# KiCad board nyx.kicad_pcb (continued)
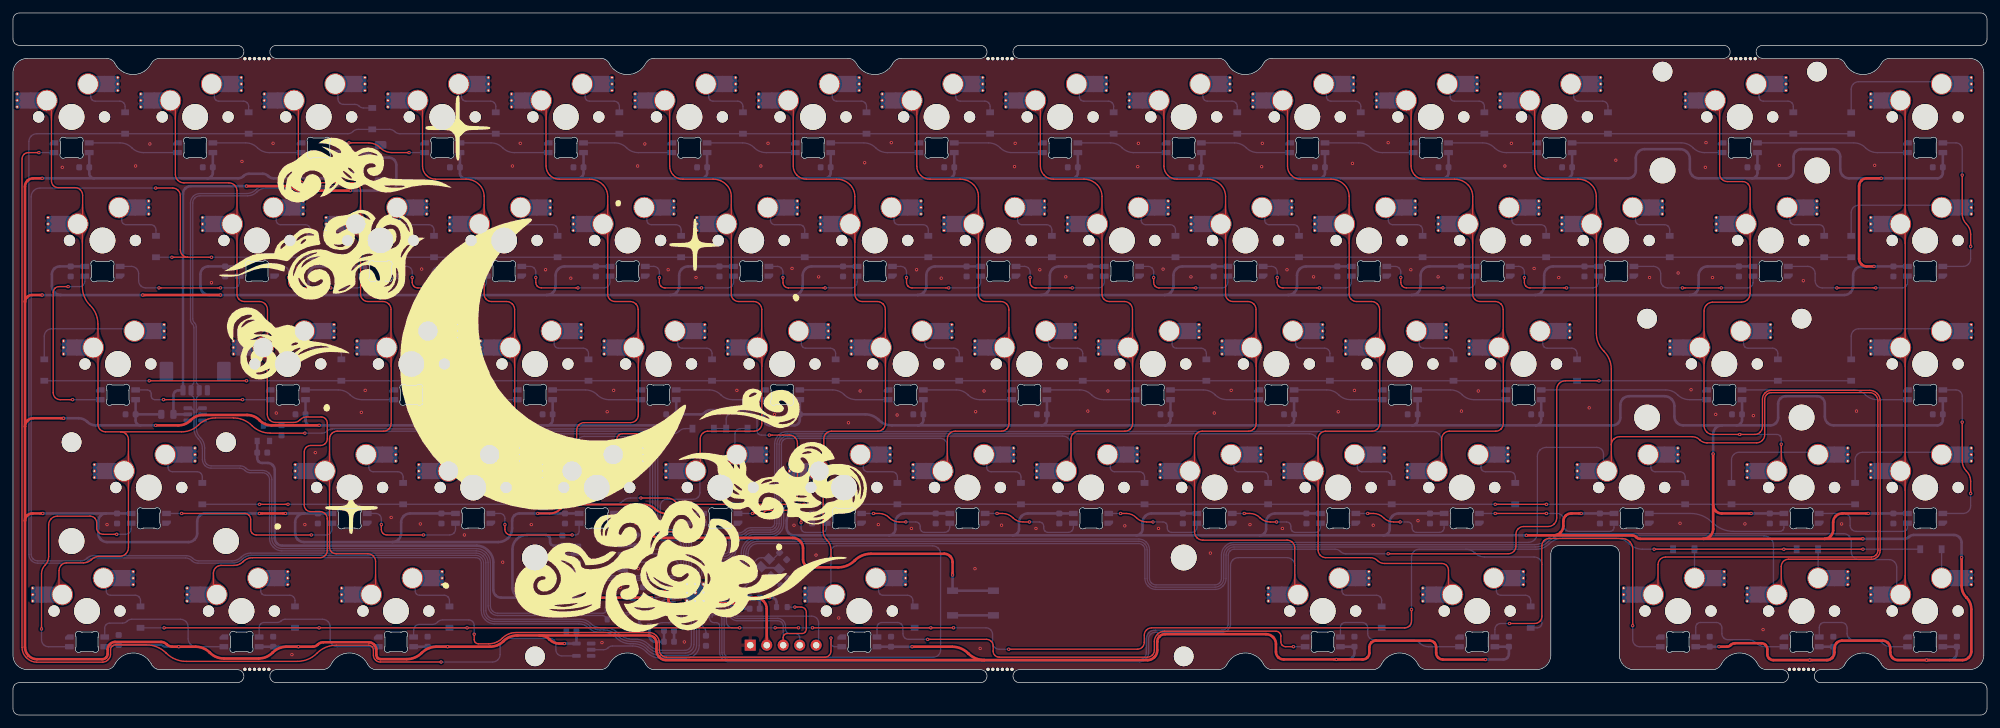
[diagram p0: board, top side]
## Copper pours and planes (outline as drawn; the poured copper is in the pictures) (continued)
Net-(D15-A) on Bottom: 294.08,97.57 294.75,97.48 295.19,97.22 295.52,96.86 295.86,96.43 296.35,95.98 297.33,97.32 296.81,98.88 296.18,98.61 295.31,98.04 294.81,97.85 294.08,97.77
Net-(D16-A) on Bottom: 16.86,76.29 16.91,76.6 17.05,76.79 17.24,76.93 17.46,77.07 17.67,77.3 16.34,78.27 15.83,76.7 16.07,76.65 16.29,76.63 16.48,76.6 16.61,76.5 16.66,76.29
Net-(D17-A) on Bottom: 40.68,76.29 40.73,76.6 40.86,76.79 41.05,76.93 41.27,77.07 41.48,77.3 40.15,78.27 39.64,76.7 39.88,76.65 40.11,76.63 40.3,76.6 40.43,76.5 40.48,76.29
Net-(D18-A) on Bottom: 59.73,76.29 59.78,76.6 59.91,76.79 60.1,76.93 60.32,77.07 60.53,77.3 59.2,78.27 58.69,76.7 58.93,76.65 59.16,76.63 59.35,76.6 59.48,76.5 59.53,76.29
Net-(D19-A) on Bottom: 78.78,76.29 78.83,76.6 78.96,76.79 79.15,76.93 79.37,77.07 79.58,77.3 78.25,78.27 77.74,76.7 77.98,76.65 78.21,76.63 78.4,76.6 78.53,76.5 78.58,76.29
Net-(D20-A) on Bottom: 97.83,76.29 97.88,76.6 98.01,76.79 98.2,76.93 98.42,77.07 98.63,77.3 97.3,78.27 96.79,76.7 97.03,76.65 97.26,76.63 97.45,76.6 97.58,76.5 97.63,76.29
Net-(D21-A) on Bottom: 116.88,76.29 116.93,76.6 117.06,76.79 117.25,76.93 117.47,77.07 117.68,77.3 116.35,78.27 115.84,76.7 116.08,76.65 116.31,76.63 116.5,76.6 116.63,76.5 116.68,76.29
Net-(D22-A) on Bottom: 135.93,76.29 135.98,76.6 136.11,76.79 136.3,76.93 136.52,77.07 136.73,77.3 135.4,78.27 134.89,76.7 135.13,76.65 135.36,76.63 135.55,76.6 135.68,76.5 135.73,76.29
Net-(D23-A) on Bottom: 154.98,76.29 155.03,76.6 155.16,76.79 155.35,76.93 155.57,77.07 155.78,77.3 154.45,78.27 153.94,76.7 154.18,76.65 154.41,76.63 154.6,76.6 154.73,76.5 154.78,76.29
Net-(D24-A) on Bottom: 174.03,76.29 174.08,76.6 174.21,76.79 174.4,76.93 174.62,77.07 174.83,77.3 173.5,78.27 172.99,76.7 173.23,76.65 173.46,76.63 173.65,76.6 173.78,76.5 173.83,76.29
Net-(D25-A) on Bottom: 193.08,76.29 193.13,76.6 193.26,76.79 193.45,76.93 193.67,77.07 193.88,77.3 192.55,78.27 192.04,76.7 192.28,76.65 192.51,76.63 192.7,76.6 192.83,76.5 192.88,76.29
Net-(D26-A) on Bottom: 212.13,76.29 212.18,76.6 212.31,76.79 212.5,76.93 212.72,77.07 212.93,77.3 211.6,78.27 211.09,76.7 211.33,76.65 211.56,76.63 211.75,76.6 211.88,76.5 211.93,76.29
Net-(D27-A) on Bottom: 231.18,76.29 231.23,76.6 231.36,76.79 231.55,76.93 231.77,77.07 231.98,77.3 230.65,78.27 230.14,76.7 230.38,76.65 230.61,76.63 230.8,76.6 230.93,76.5 230.98,76.29
Net-(D28-A) on Bottom: 250.23,76.29 250.28,76.6 250.41,76.79 250.6,76.93 250.82,77.07 251.03,77.3 249.7,78.27 249.19,76.7 249.43,76.65 249.66,76.63 249.85,76.6 249.98,76.5 250.03,76.29
Net-(D29-A) on Bottom: 274.04,76.29 274.09,76.6 274.22,76.79 274.41,76.93 274.63,77.07 274.85,77.3 273.51,78.27 273,76.7 273.24,76.65 273.47,76.63 273.66,76.6 273.79,76.5 273.84,76.29
Net-(D30-A) on Bottom: 294.08,78.52 294.75,78.43 295.19,78.17 295.52,77.81 295.86,77.38 296.35,76.93 297.33,78.27 296.81,79.83 296.18,79.56 295.31,78.99 294.81,78.8 294.08,78.72
Net-(D31-A) on Bottom: 15.47,59.47 16.15,59.38 16.58,59.12 16.91,58.76 17.26,58.33 17.75,57.88 18.72,59.22 18.2,60.78 17.57,60.51 16.71,59.94 16.2,59.75 15.47,59.67
Net-(D32-A) on Bottom: 45.44,57.24 45.49,57.55 45.62,57.74 45.81,57.88 46.03,58.02 46.25,58.25 44.91,59.22 44.4,57.65 44.64,57.6 44.87,57.58 45.06,57.55 45.19,57.45 45.24,57.24
Net-(D33-A) on Bottom: 64.49,57.24 64.54,57.55 64.67,57.74 64.86,57.88 65.08,58.02 65.3,58.25 63.96,59.22 63.45,57.65 63.69,57.6 63.92,57.58 64.11,57.55 64.24,57.45 64.29,57.24
Net-(D34-A) on Bottom: 83.54,57.24 83.59,57.55 83.72,57.74 83.91,57.88 84.13,58.02 84.35,58.25 83.01,59.22 82.5,57.65 82.74,57.6 82.97,57.58 83.16,57.55 83.29,57.45 83.34,57.24
Net-(D35-A) on Bottom: 102.59,57.24 102.64,57.55 102.77,57.74 102.96,57.88 103.18,58.02 103.4,58.25 102.06,59.22 101.55,57.65 101.79,57.6 102.02,57.58 102.21,57.55 102.34,57.45 102.39,57.24
Net-(D36-A) on Bottom: 121.64,57.24 121.69,57.55 121.82,57.74 122.01,57.88 122.23,58.02 122.45,58.25 121.11,59.22 120.6,57.65 120.84,57.6 121.07,57.58 121.26,57.55 121.39,57.45 121.44,57.24
Net-(D37-A) on Bottom: 140.69,57.24 140.74,57.55 140.87,57.74 141.06,57.88 141.28,58.02 141.5,58.25 140.16,59.22 139.65,57.65 139.89,57.6 140.12,57.58 140.31,57.55 140.44,57.45 140.49,57.24
Net-(D38-A) on Bottom: 159.74,57.24 159.79,57.55 159.92,57.74 160.11,57.88 160.33,58.02 160.55,58.25 159.21,59.22 158.7,57.65 158.94,57.6 159.17,57.58 159.36,57.55 159.49,57.45 159.54,57.24
Net-(D39-A) on Bottom: 178.79,57.24 178.84,57.55 178.97,57.74 179.16,57.88 179.38,58.02 179.6,58.25 178.26,59.22 177.75,57.65 177.99,57.6 178.22,57.58 178.41,57.55 178.54,57.45 178.59,57.24
Net-(D40-A) on Bottom: 197.84,57.24 197.89,57.55 198.02,57.74 198.21,57.88 198.43,58.02 198.65,58.25 197.31,59.22 196.8,57.65 197.04,57.6 197.27,57.58 197.46,57.55 197.59,57.45 197.64,57.24
Net-(D41-A) on Bottom: 216.89,57.24 216.94,57.55 217.07,57.74 217.26,57.88 217.48,58.02 217.7,58.25 216.36,59.22 215.85,57.65 216.09,57.6 216.32,57.58 216.51,57.55 216.64,57.45 216.69,57.24
Net-(D42-A) on Bottom: 235.94,57.24 235.99,57.55 236.12,57.74 236.31,57.88 236.53,58.02 236.75,58.25 235.41,59.22 234.9,57.65 235.14,57.6 235.37,57.58 235.56,57.55 235.69,57.45 235.74,57.24
Net-(D43-A) on Bottom: 266.89,57.24 266.95,57.55 267.08,57.74 267.27,57.88 267.49,58.02 267.7,58.25 266.37,59.22 265.86,57.65 266.1,57.6 266.32,57.58 266.51,57.55 266.65,57.45 266.69,57.24
Net-(D44-A) on Bottom: 294.08,59.47 294.75,59.38 295.19,59.12 295.52,58.76 295.86,58.33 296.35,57.88 297.33,59.22 296.81,60.78 296.18,60.51 295.31,59.94 294.81,59.75 294.08,59.67
Net-(D45-A) on Bottom: 24.01,38.19 24.06,38.5 24.19,38.69 24.38,38.83 24.6,38.97 24.82,39.2 23.48,40.17 22.97,38.6 23.21,38.55 23.44,38.53 23.63,38.5 23.76,38.4 23.81,38.19
Net-(D46-A) on Bottom: 54.96,38.19 55.01,38.5 55.15,38.69 55.34,38.83 55.56,38.97 55.77,39.2 54.44,40.17 53.93,38.6 54.17,38.55 54.39,38.53 54.58,38.5 54.71,38.4 54.76,38.19
Net-(D47-A) on Bottom: 74.01,38.19 74.06,38.5 74.2,38.69 74.39,38.83 74.61,38.97 74.82,39.2 73.49,40.17 72.98,38.6 73.22,38.55 73.44,38.53 73.63,38.5 73.76,38.4 73.81,38.19
Net-(D48-A) on Top: 93,42.52 92.91,42.12 92.68,41.92 92.35,41.81 91.96,41.7 91.57,41.5 92.54,40.17 94.11,40.68 93.9,41.11 93.66,41.41 93.44,41.68 93.27,42.02 93.2,42.52
Net-(D49-A) on Bottom: 111.2,43.32 111.12,42.62 110.91,42.13 110.63,41.74 110.32,41.31 110.03,40.7 111.59,40.17 112.92,41.14 112.49,41.61 112.08,41.94 111.73,42.26 111.49,42.68 111.4,43.32
Net-(D50-A) on Bottom: 131.16,38.19 131.21,38.5 131.35,38.69 131.54,38.83 131.76,38.97 131.97,39.2 130.64,40.17 130.13,38.6 130.37,38.55 130.59,38.53 130.78,38.5 130.91,38.4 130.96,38.19
Net-(D51-A) on Bottom: 150.21,38.19 150.26,38.5 150.4,38.69 150.59,38.83 150.81,38.97 151.02,39.2 149.69,40.17 149.18,38.6 149.42,38.55 149.64,38.53 149.83,38.5 149.96,38.4 150.01,38.19
Net-(D52-A) on Bottom: 169.26,38.19 169.31,38.5 169.45,38.69 169.64,38.83 169.86,38.97 170.07,39.2 168.74,40.17 168.23,38.6 168.47,38.55 168.69,38.53 168.88,38.5 169.01,38.4 169.06,38.19
Net-(D53-A) on Bottom: 188.31,38.19 188.36,38.5 188.5,38.69 188.69,38.83 188.91,38.97 189.12,39.2 187.79,40.17 187.28,38.6 187.52,38.55 187.74,38.53 187.93,38.5 188.06,38.4 188.11,38.19
Net-(D54-A) on Bottom: 207.36,38.19 207.41,38.5 207.55,38.69 207.74,38.83 207.96,38.97 208.17,39.2 206.84,40.17 206.33,38.6 206.57,38.55 206.79,38.53 206.98,38.5 207.11,38.4 207.16,38.19
Net-(D55-A) on Bottom: 226.41,38.19 226.46,38.5 226.6,38.69 226.79,38.83 227.01,38.97 227.22,39.2 225.89,40.17 225.38,38.6 225.62,38.55 225.84,38.53 226.03,38.5 226.16,38.4 226.21,38.19
Net-(D56-A) on Bottom: 252.61,38.19 252.66,38.5 252.79,38.69 252.98,38.83 253.2,38.97 253.42,39.2 252.08,40.17 251.57,38.6 251.81,38.55 252.04,38.53 252.23,38.5 252.36,38.4 252.41,38.19
Net-(D57-A) on Bottom: 275.03,40.42 275.7,40.33 276.14,40.07 276.47,39.71 276.81,39.28 277.3,38.83 278.28,40.17 277.76,41.73 277.13,41.46 276.26,40.89 275.76,40.7 275.03,40.62
Net-(D58-A) on Bottom: 294.08,40.42 294.75,40.33 295.19,40.07 295.52,39.71 295.86,39.28 296.35,38.83 297.33,40.17 296.81,41.73 296.18,41.46 295.31,40.89 294.81,40.7 294.08,40.62
Net-(D59-A) on Bottom: 14.48,19.14 14.53,19.45 14.67,19.64 14.86,19.78 15.08,19.92 15.29,20.15 13.96,21.12 13.45,19.55 13.69,19.5 13.91,19.48 14.1,19.45 14.23,19.35 14.28,19.14
Net-(D60-A) on Bottom: 38.29,19.14 38.35,19.45 38.48,19.64 38.67,19.78 38.89,19.92 39.1,20.15 37.77,21.12 37.26,19.55 37.5,19.5 37.72,19.48 37.91,19.45 38.05,19.35 38.09,19.14
Net-(D61-A) on Bottom: 62.11,19.14 62.16,19.45 62.29,19.64 62.48,19.78 62.7,19.92 62.92,20.15 61.58,21.12 61.07,19.55 61.31,19.5 61.54,19.48 61.73,19.45 61.86,19.35 61.91,19.14
Net-(D62-A) on Bottom: 133.54,19.14 133.6,19.45 133.73,19.64 133.92,19.78 134.14,19.92 134.35,20.15 133.02,21.12 132.51,19.55 132.75,19.5 132.97,19.48 133.16,19.45 133.3,19.35 133.34,19.14
Net-(D63-A) on Bottom: 204.98,19.14 205.03,19.45 205.17,19.64 205.36,19.78 205.58,19.92 205.79,20.15 204.46,21.12 203.95,19.55 204.19,19.5 204.41,19.48 204.6,19.45 204.73,19.35 204.78,19.14
Net-(D64-A) on Bottom: 228.79,19.14 228.85,19.45 228.98,19.64 229.17,19.78 229.39,19.92 229.6,20.15 228.27,21.12 227.76,19.55 228,19.5 228.22,19.48 228.41,19.45 228.55,19.35 228.59,19.14
Net-(D65-A) on Bottom: 259.12,24.42 259.06,23.76 258.89,23.31 258.63,22.94 258.29,22.57 257.89,22.09 259.22,21.12 260.56,22.09 260.16,22.57 259.82,22.94 259.56,23.31 259.39,23.76 259.32,24.42
Net-(D66-A) on Bottom: 278.17,24.42 278.11,23.76 277.94,23.31 277.68,22.94 277.34,22.57 276.94,22.09 278.27,21.12 279.61,22.09 279.21,22.57 278.87,22.94 278.61,23.31 278.44,23.76 278.37,24.42
Net-(D67-A) on Bottom: 297.22,24.42 297.16,23.76 296.99,23.31 296.73,22.94 296.39,22.57 295.99,22.09 297.32,21.12 298.66,22.09 298.26,22.57 297.92,22.94 297.66,23.31 297.49,23.76 297.42,24.42

Small or netless copper shapes (teardrops, artwork), in the pictures only: 158 on Top, 727 on Bottom

## Text on the board
F.Mask: ニュクス | Rev 1 Ⓒ HorrorTroll 2023 | Nyx | ________________
